# Altium PCB TTN_Gateway_V2.3.1.PcbDoc (part 1 of 3)
Units mm, origin at the board's own origin, x right, y up, seen from the top; angles counter-clockwise.
Board outline 133 x 122.84 mm, 4 copper layers (Component Side, Signal Layer 1, Signal Layer 3, Solder Side), stack 0.844 mm thick; 331 components, 261 nets, 1123 pads, 1128 vias.
Unrouted connection lines stored in the file: 8.
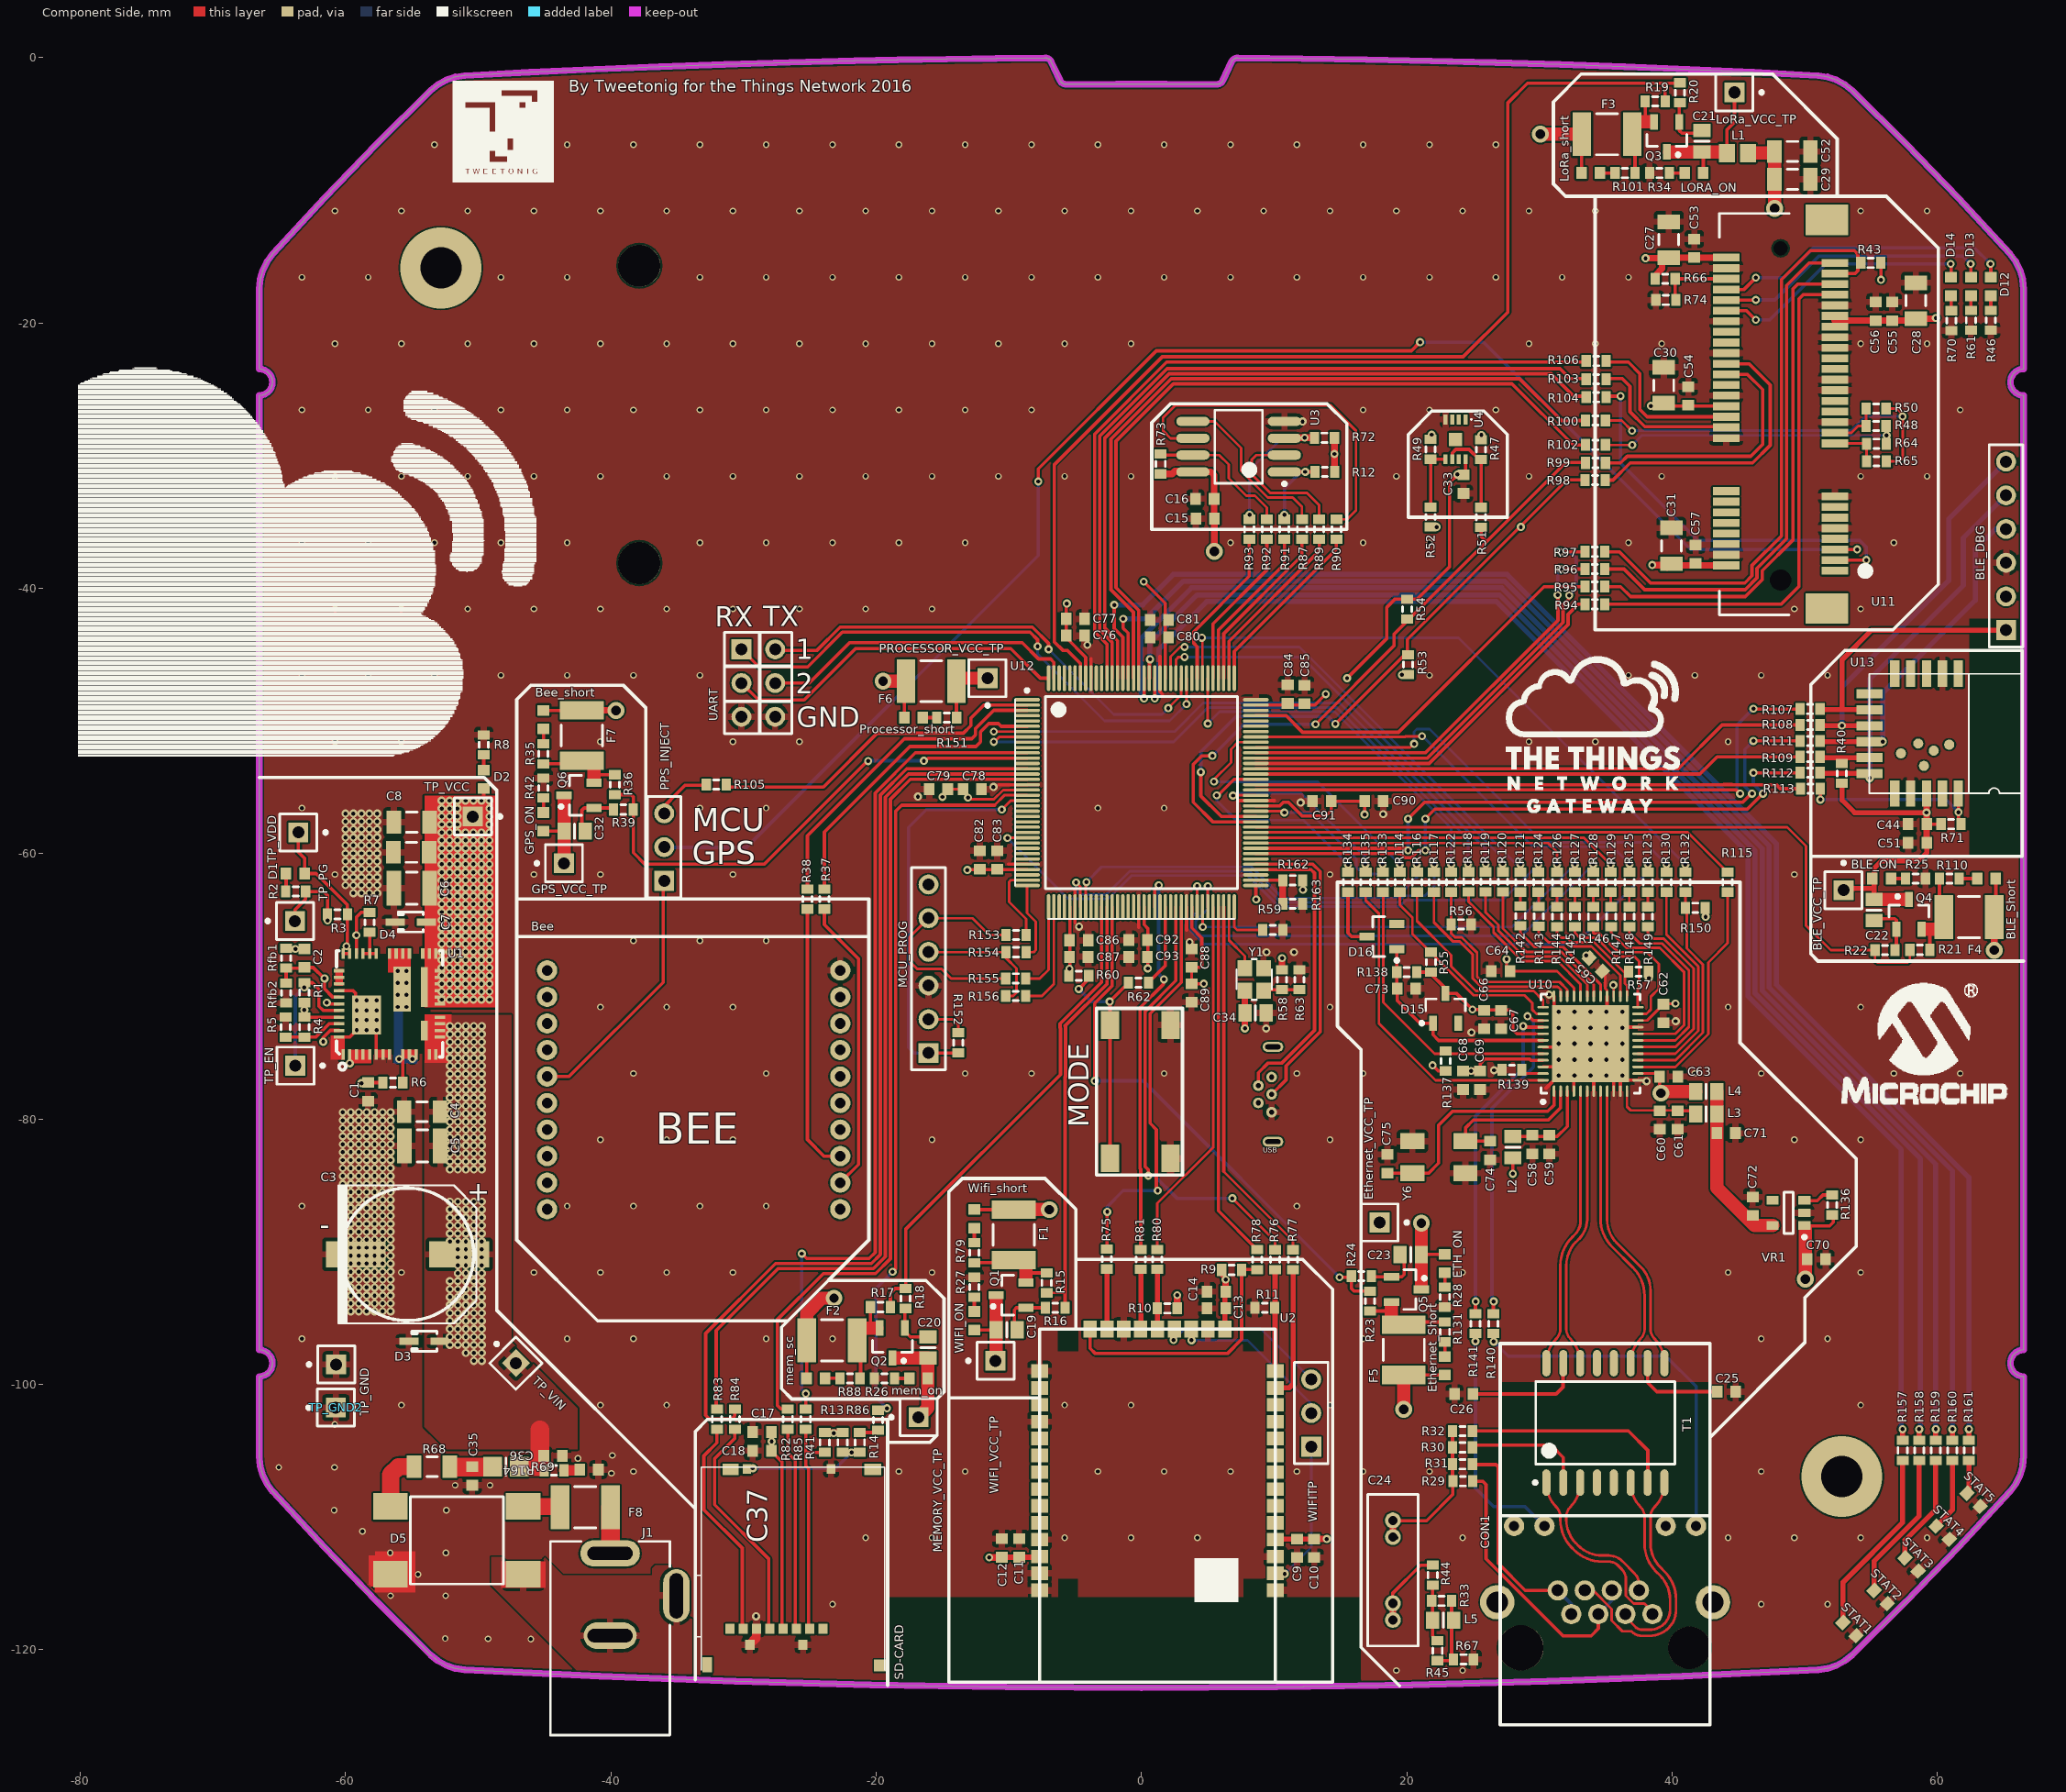
[diagram p0: Component Side view]
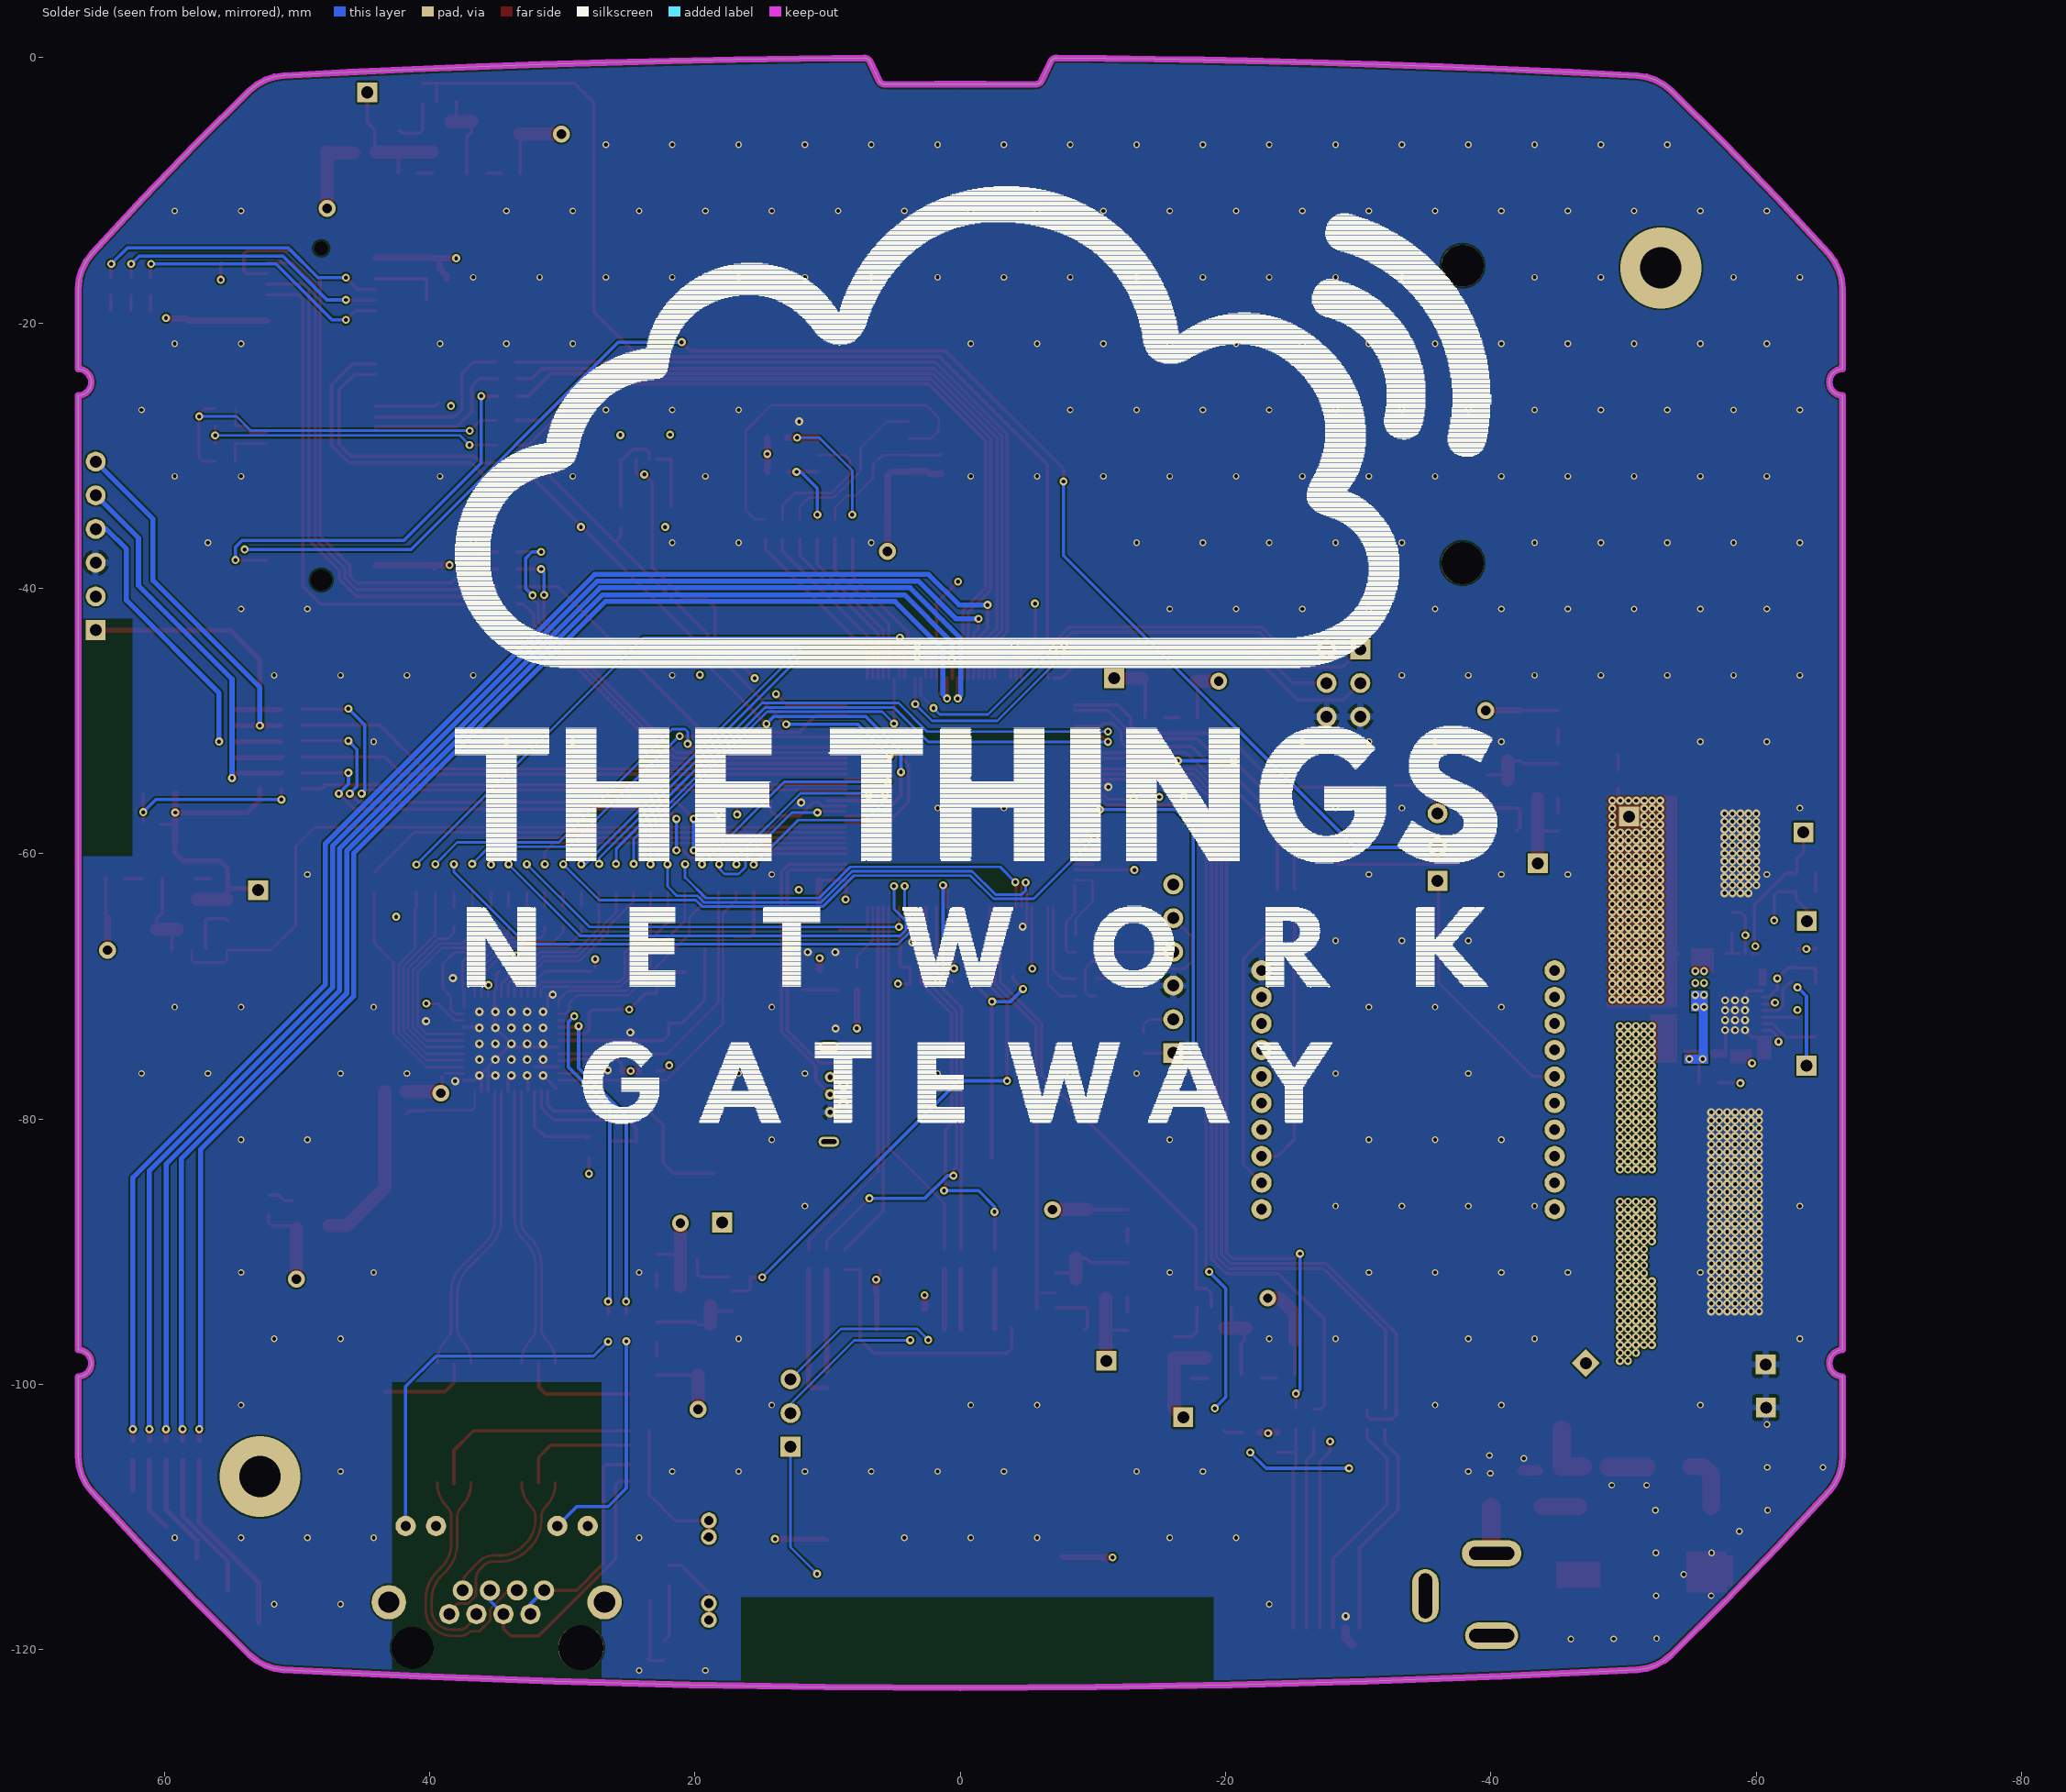
[diagram p1: Solder Side view, seen from below]
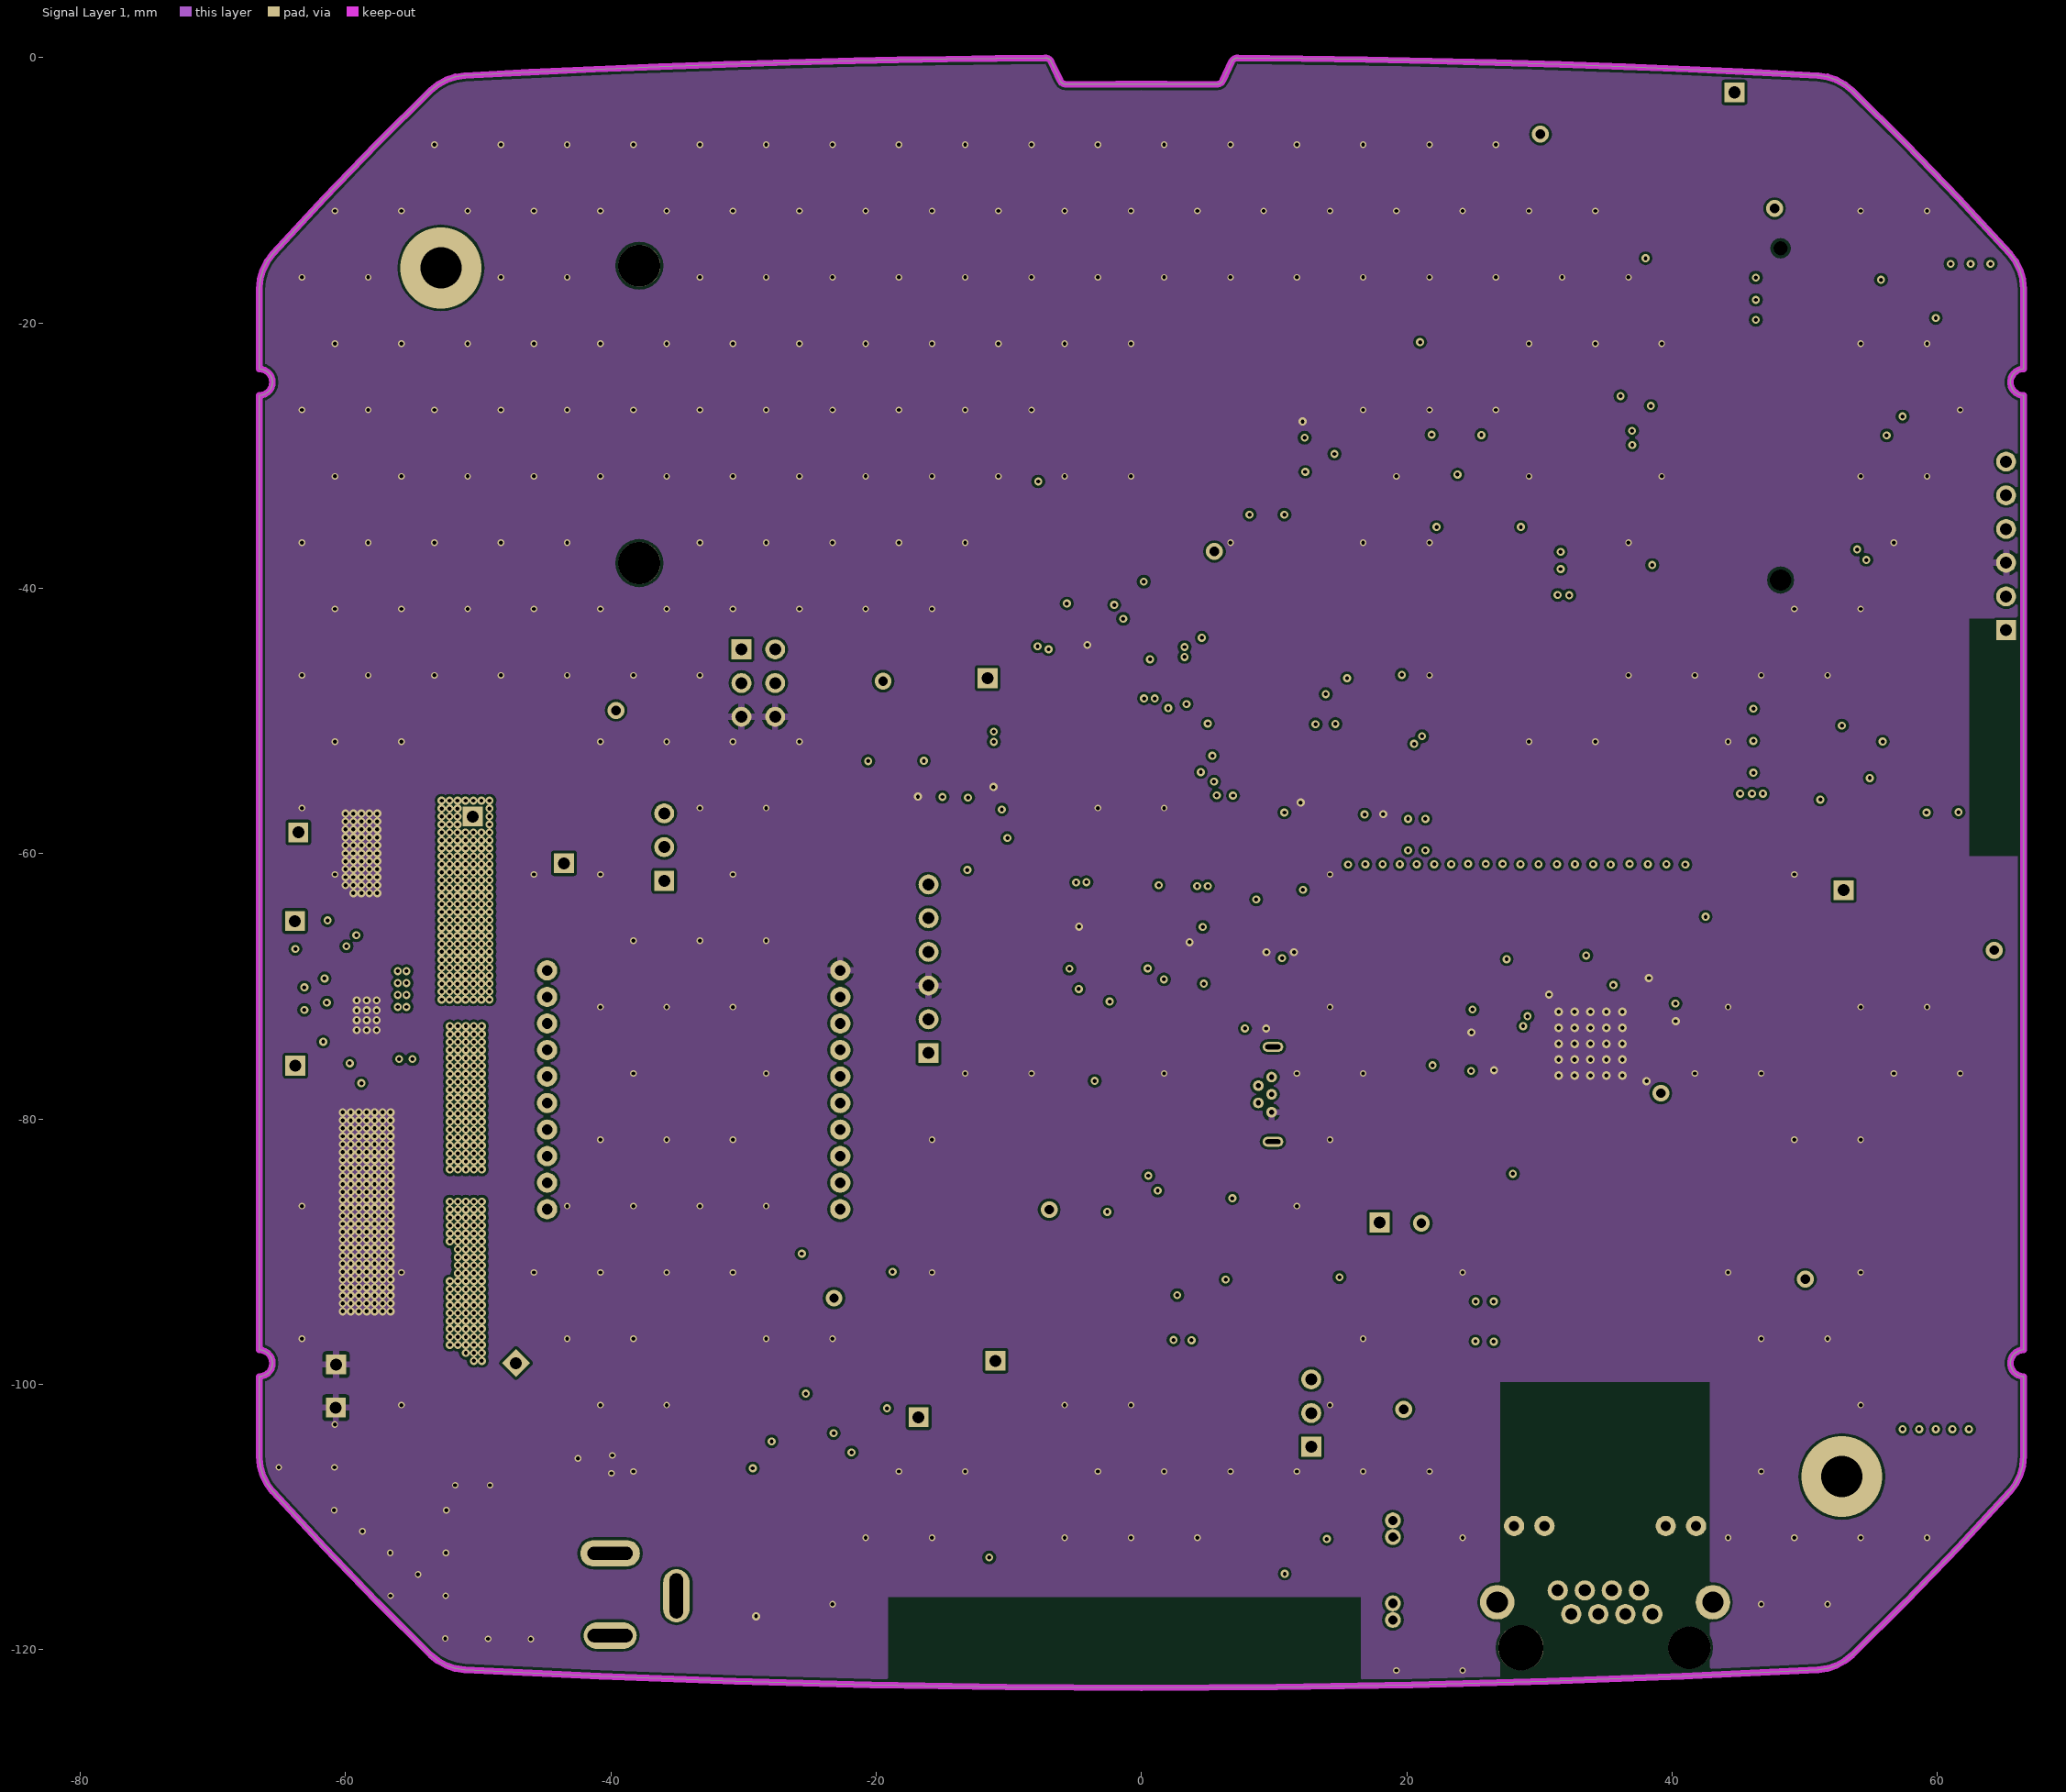
[diagram p2: Signal Layer 1]
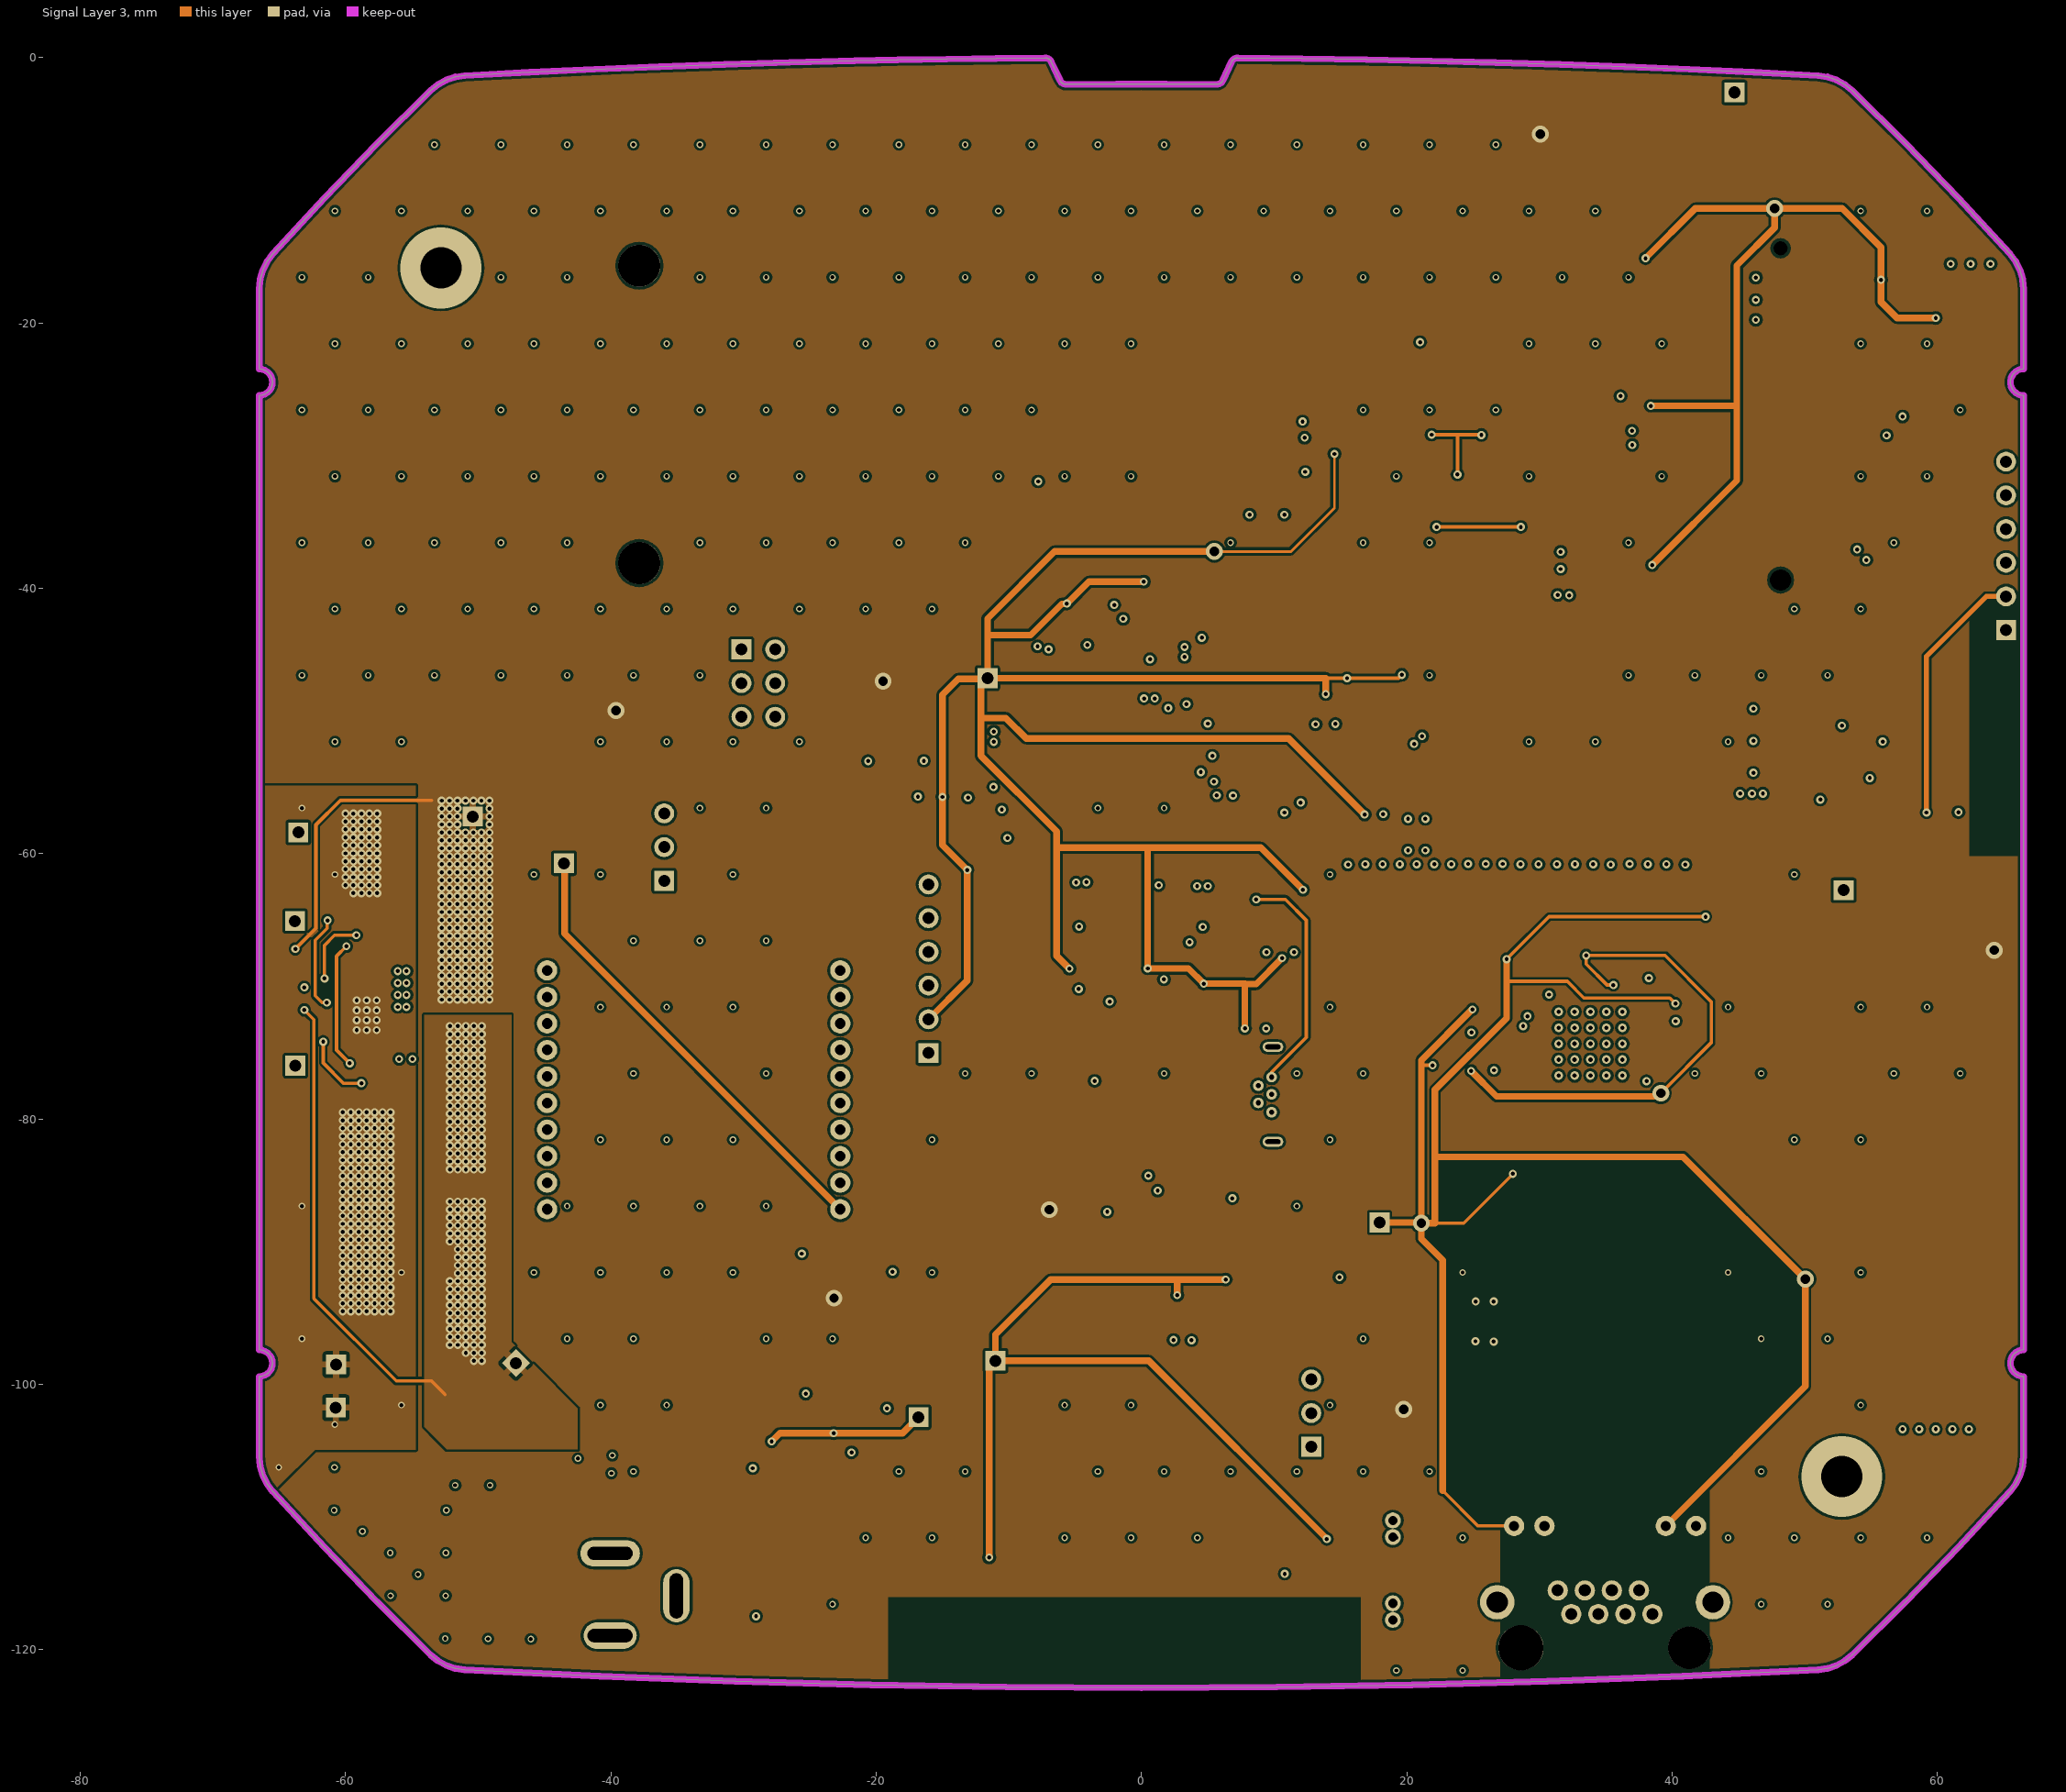
[diagram p3: Signal Layer 3]

## Layer stack, top to bottom
Top Solder: solder mask 0.0102, Solder Resist, Dk 3.5
Component Side: signal copper 0.0356
Dielectric 1: core 0.32, FR-4, Dk 4.8
Signal Layer 1: signal copper 0.036
Dielectric 5: prepreg 0.127, Dk 4.2
Signal Layer 3: signal copper 0.036
Dielectric 4: core 0.254, Dk 4.2
Solder Side: signal copper 0.0356
Bottom Solder: solder mask 0.0102, Solder Resist, Dk 3.5

## Board outline
-66.432,-106.132 -66.5,-105.399 -66.5,-99.4 -66.277,-99.374 -66.066,-99.3 -65.877,-99.181 -65.718,-99.023 -65.599,-98.833 -65.525,-98.622 -65.5,-98.4 -65.525,-98.177 -65.599,-97.966 -65.718,-97.776 -65.877,-97.618 -66.066,-97.499 -66.277,-97.425 -66.5,-97.4 -66.5,-25.464 -66.277,-25.439 -66.066,-25.365 -65.877,-25.246 -65.718,-25.088 -65.599,-24.898 -65.525,-24.687 -65.5,-24.464 -65.525,-24.242 -65.599,-24.03 -65.718,-23.841 -65.877,-23.683 -66.066,-23.563 -66.277,-23.489 -66.5,-23.464 -66.5,-17.464 -66.432,-16.731 -66.231,-16.023 -65.904,-15.364 -65.462,-14.776 -61.587,-10.595 -57.626,-6.495 -53.582,-2.479 -53.025,-2.026 -52.396,-1.681 -51.715,-1.454 -51.005,-1.351 -51.009,-1.352 cw(c0,-961.203) -21.623,-0.24 cw(c0,-961.203) -18.369,-0.173 cw(c0,-961.203) -7.247,-0.024 -7.251,-0.024 cw(c-7.247,-0.524) -6.794,-0.313 -6.136,-1.725 ccw(c-5.682,-1.514) -5.679,-2.014 -5.675,-2.014 cw(c0,-961.203) 5.675,-2.014 5.679,-2.014 ccw(c5.682,-1.514) 6.136,-1.725 6.794,-0.313 cw(c7.247,-0.524) 7.251,-0.024 7.247,-0.024 cw(c0,-961.203) 51.009,-1.352 51.005,-1.351 51.715,-1.454 52.396,-1.681 53.025,-2.026 53.582,-2.479 57.626,-6.495 61.587,-10.595 65.462,-14.776 65.904,-15.364 66.231,-16.023 66.432,-16.731 66.5,-17.464 66.5,-23.464 66.292,-23.486 66.093,-23.551 65.912,-23.655 65.757,-23.795 65.634,-23.964 65.549,-24.155 65.505,-24.36 65.505,-24.569 65.549,-24.773 65.634,-24.964 65.757,-25.133 65.912,-25.273 66.093,-25.378 66.292,-25.443 66.5,-25.464 66.5,-97.4 66.292,-97.421 66.093,-97.486 65.912,-97.59 65.757,-97.73 65.634,-97.9 65.549,-98.09 65.505,-98.295 65.505,-98.504 65.549,-98.709 65.634,-98.9 65.757,-99.069 65.912,-99.209 66.093,-99.313 66.292,-99.378 66.5,-99.4 66.5,-105.399 66.432,-106.132 66.231,-106.841 65.904,-107.5 65.462,-108.088 61.587,-112.269 57.626,-116.369 53.582,-120.385 53.025,-120.838 52.396,-121.183 51.715,-121.41 51.005,-121.513 40.811,-122 30.612,-122.379 20.41,-122.65 10.206,-122.813 0,-122.867 -10.206,-122.813 -20.41,-122.65 -30.612,-122.379 -40.811,-122 -51.005,-121.513 -51.715,-121.41 -52.396,-121.183 -53.025,-120.838 -53.582,-120.385 -57.626,-116.369 -61.587,-112.269 -65.462,-108.088 -65.904,-107.5 -66.231,-106.841

## Design rules (kind name [scope] priority, off if disabled: settings)
Clearance Clearance_2 [OnLayer('Signal Layer 3')] p1: gap=0.2
Clearance Clearance_1 [OnLayer('Signal Layer 1')] p2: gap=0.2
Clearance "Stitching GND" [IsStitchingVia and InNet('GND') vs (IsVia and (Not IsStitchingVia)) Or IsPad] p3: gap=0.254
Clearance [All] p4: gap=0.125
ComponentClearance [All] p1 off: gap=0.1 collisioncheckmode=3 verticalgap=0.254 showdistances=FALSE
DiffPairsRouting [All] p1: maxlimit=0.254 minlimit=0.254 mostfreqgap=0.254 toplayer_minwidth=0.2 toplayer_maxwidth=0.2 toplayer_prefwidth=0.2 midlayer1_minwidth=0.2 midlayer1_maxwidth=0.2 midlayer1_prefwidth=0.2 midlayer3_minwidth=0.2 midlayer3_maxwidth=0.2 midlayer3_prefwidth=0.2 bottomlayer_minwidth=0.2 bottomlayer_maxwidth=0.2 bottomlayer_prefwidth=0.2 maxuncoupledlength=12.7
MinimumSolderMaskSliver [All] p1 off: minsoldermaskwidth=0.254
PolygonConnect PolygonConnect_3 [isVia and innet('NetC3_1')] p1: connectstyle=Direct reliefconductorwidth=0.254 reliefentries=4 polygonreliefangle="90 Angle" airgapwidth=0.254
PolygonConnect PolygonConnect_2 [isVia and innet('3.3V_RAIL')] p2: connectstyle=Direct reliefconductorwidth=0.254 reliefentries=4 polygonreliefangle="90 Angle" airgapwidth=0.254
PolygonConnect PolygonConnect_1 [isVia and innet(gnd)] p3: connectstyle=Direct reliefconductorwidth=0.254 reliefentries=4 polygonreliefangle="90 Angle" airgapwidth=0.254
PolygonConnect [All] p4: connectstyle=Relief reliefconductorwidth=0.5 reliefentries=4 polygonreliefangle="90 Angle" airgapwidth=0.254
RoutingVias [All] p1: holewidth=0.711 width=1.27 viastyle="Through Hole" minholewidth=0.711 minwidth=1.27 maxholewidth=0.711 maxwidth=1.27
SilkToSolderMaskClearance SilkscreenOverComponentPads [IsPad] p1 off: minsilkscreentomaskgap=0.254 clearancetoexposedcopper=TRUE
SolderMaskExpansion [All] p1: expansion=0.102
Width [All] p1: maxlimit=2 minlimit=0.18 preferedwidth=0.2
26 further rules are at their usual default settings.

## Classes and differential pairs
component class Bee: Bee GPS_ON GPS_VCC_TP R42
component class Bluetooth: BLE_DBG BLE_ON BLE_VCC_TP C44 C51 R25 R40 R71 U13
component class EPS: C1 C2 C3 C4 C5 C6 C7 C8 C35 C36 C37 D1 D2 D3 D4 D5 F8 J1 R1 R2 R3 R4 R5 R6 R7 R8 R68 R69 R164 Rfb1 Rfb2 TP_EN TP_GND TP_GND2 TP_PG TP_VCC TP_VDD TP_VIN U1
component class Ethernet: C24 C25 C26 C58 C59 C60 C61 C62 C63 C64 C65 C66 C67 C68 C69 C70 C71 C72 C73 C74 C75 CON1 D15 D16 ETH_ON Ethernet_VCC_TP L2 L3 L4 L5 R28 R29 R30 R31 R32 R33 R44 R45 R55 R56 R57 R67 R136 R137 R138 R139 R140 R141 R142 R143 R144 R145 R146 R147 R148 R149 R150 T1 U10 VR1 Y6
component class LoRa: C27 C28 C29 C30 C31 C52 C53 C54 C55 C56 C57 D12 D13 D14 L1 LORA_ON LoRa_VCC_TP R34 R43 R46 R48 R50 R61 R64 R65 R66 R70 R74
component class Memory: C17 C18 mem_on MEMORY_VCC_TP R13 R14 R26 R41 SD-CARD
component class Processing: C15 C16 C33 C34 C76 C77 C78 C79 C80 C81 C82 C83 C84 C85 C86 C87 C88 C89 C90 C91 C92 C93 MCU_PROG MODE PROCESSOR_VCC_TP R12 R47 R49 R51 R52 R53 R54 R58 R59 R60 R62 R63 R72 R73 R87 R89 R90 R91 R92 R93 R152 R153 R154 R155 R156 R157 R158 R159 R160 R161 R162 R163 STAT1 STAT2 STAT3 STAT4 STAT5 U3 U4 U12 UART USB Y1
component class toplevel: Bee_short BLE_Short C19 C20 C21 C22 C23 C32 Ethernet_Short F1 F2 F3 F4 F5 F6 F7 LoRa_short mem_sc PPS_INJECT Processor_short Q1 Q2 Q3 Q4 Q5 Q6 R15 R16 R17 R18 R19 R20 R21 R22 R23 R24 R35 R36 R37 R38 R39 R75 R76 R77 R78 R79 R80 R81 R82 R83 R84 R85 R86 R88 R94 R95 R96 R97 R98 R99 R100 R101 R102 R103 R104 R105 R106 R107 R108 R109 R110 R111 R112 R113 R114 R115 R116 R117 R118 R119 R120 R121 R122 R123 R124 R125 R126 R127 R128 R129 R130 R131 R132 R133 R134 R135 R151 Wifi_short
component class Wifi: C9 C10 C11 C12 C13 C14 R9 R10 R11 R27 U2 WIFI_ON WIFI_VCC_TP WIFITP
differential pair TX: +TX_P -TX_N
differential pair TD: +TD_P -TD_N
differential pair RX: +RX_P -RX_N
differential pair RD: +RD_P -RD_N

## Components (designator, comment, footprint, x,y, rotation, side; value= is the part's Value field where it differs from the comment)
Bee "Header 20" BeeSlot -22.7,-68.795 r180 top
Bee_short "LED0" C0603 -45.075,-49.9 r270 top
BLE_DBG "Header 6" HDR1X6 65.175,-43.147 r90 top
BLE_ON "LED?" C0603 55.8,-61.875 r0 top
BLE_Short "LED0" C0603 63.7,-61.875 r180 top